# Allegro board buddy_lay_rev1.brd (continued)
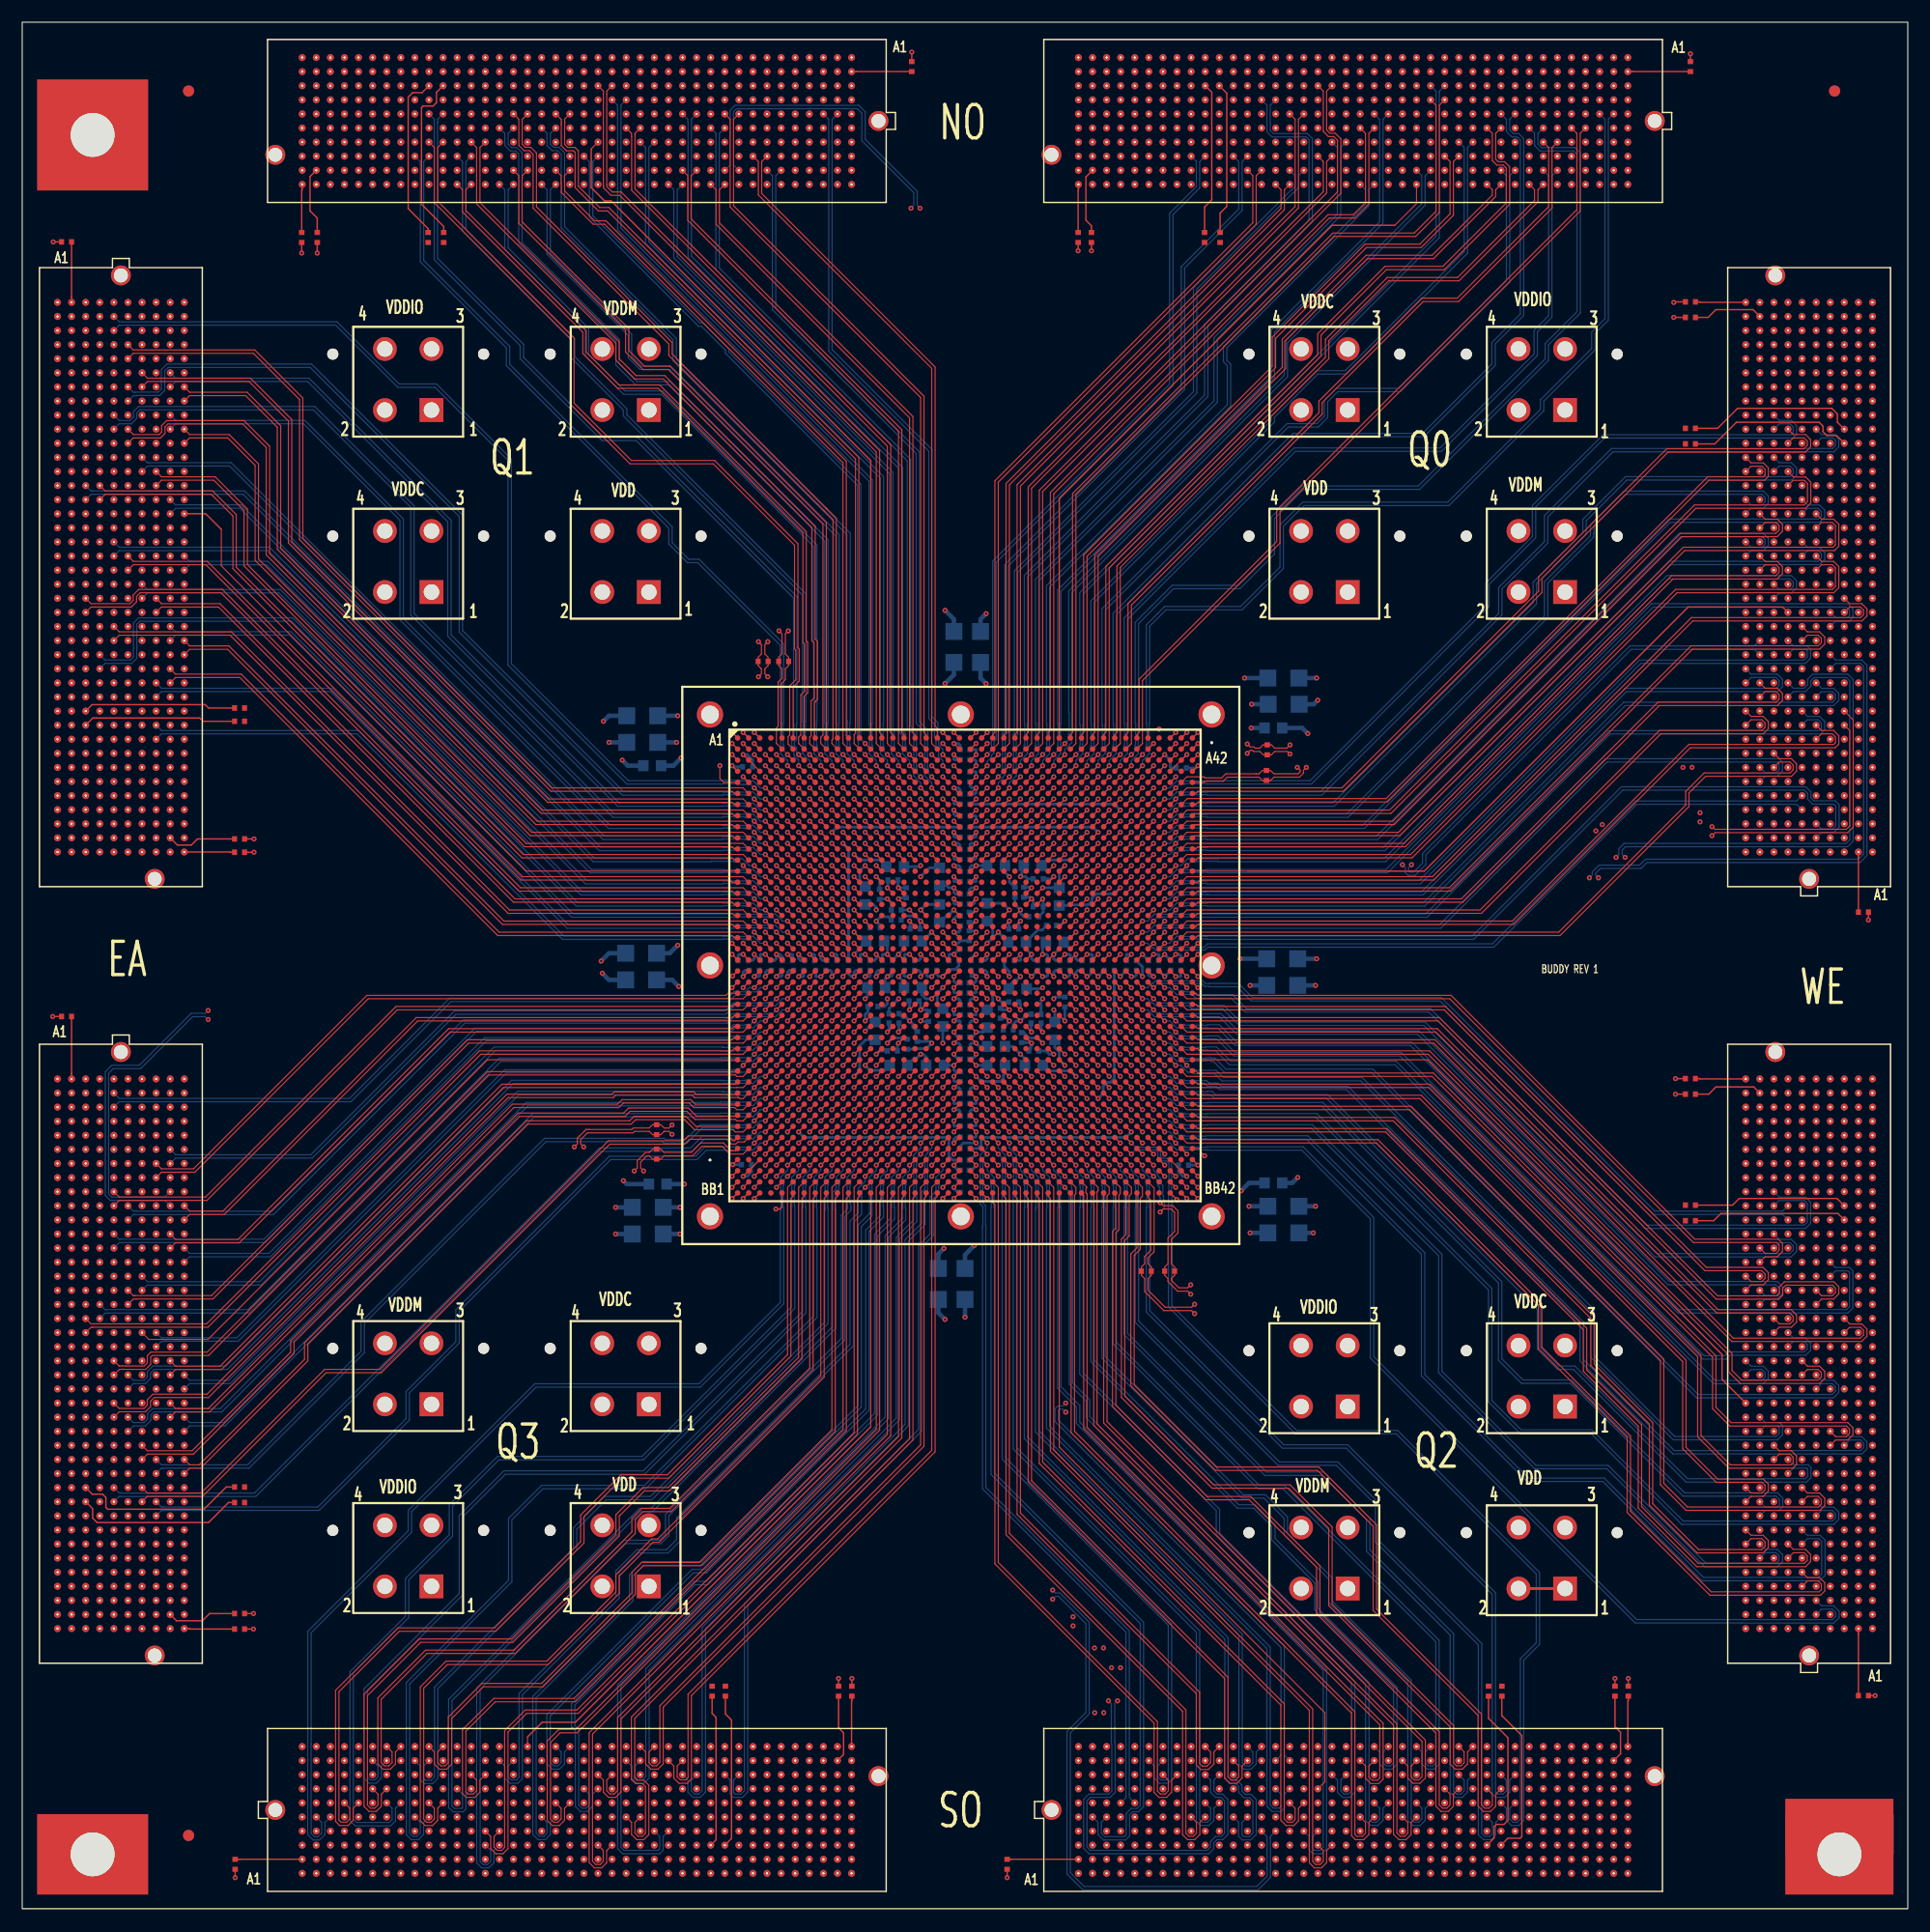
[diagram p0: board, top side]
## Routing (per net, layer and track width the routed paths; a pad name or vN(x,y) marks a point on that pad's centre or on a via; arc(x,y) is an arc through that point) (continued)
NO_N113: length 72.6
  TOP w0.127: U1.D10 v1(73,103)
  BOTTOM w0.102: J1.F26 43.51,159.98 43.51,158.89 44,158.39 44.49,158.39 44.76,158.12 44.76,150.05 53.53,141.28 53.53,139.1 55.31,137.32 58.27,137.32 72.35,123.24 72.35,106.9 72.38,106.87 72.38,104.56 72.37,104.54 72.37,104.09 73,103.46 v1(73,103)
NO_N114: length 74.1
  TOP w0.127: U1.F10 v1(73,101)
  SIGNAL_L12 w0.081: J1.G25 44.76,158.73 44.76,148.52 49.45,143.83 49.45,139.26 51.57,137.14 57.05,137.14 72.34,121.86 72.34,107.63 72.39,107.58 72.39,107.46 72.36,107.43 72.36,107.4 72.37,107.38 72.37,102.8 72.34,102.77 72.34,102.19 72.63,101.9 72.63,101.82 73,101.45 v1(73,101)
NO_N115: length 80.8
  TOP w0.127: U1.H10 v1(73,99)
  SIGNAL_L3 w0.081: v1(73,99) 73,99.48 72.85,99.63 72.85,99.63 72.63,99.85 72.63,99.85 72.6,99.88 72.6,99.93 72.33,100.2 72.33,100.78 72.37,100.82 72.37,107.38 72.33,107.42 72.33,135.5 61.91,145.92 47.08,145.92 43.49,149.51 43.49,157.46 J1.H26
NO_N116: length 65.4
  TOP w0.102: J1.J25 44.78,156.17 44.78,156.03 44.77,156.02 44.77,151.88 54.4,142.25 54.4,140.27 55.97,138.7 58.27,138.7 72.2,124.77 72.2,105.76 72,105.57 72,105 U1.B9
NO_N117: length 67.1
  TOP w0.127: U1.D9 v1(72,103)
  BOTTOM w0.102: v1(72,103) 72,103.46 71.37,104.09 71.37,104.54 71.38,104.56 71.38,107.03 71.42,107.06 71.42,110.31 71.35,110.37 71.35,122.76 57.64,136.47 54.22,136.47 50.77,139.92 50.77,142.28 43.51,149.54 43.51,154.9 J1.K26
NO_N118: length 83.4
  TOP w0.127: U1.F9 v1(72,101)
  SIGNAL_L3 w0.081: v1(72,101) 72,101.48 71.85,101.63 71.85,101.63 71.63,101.85 71.63,101.85 71.6,101.88 71.6,101.93 71.33,102.2 71.33,102.78 71.37,102.82 71.37,109.47 71.33,109.5 71.33,134.37 60.93,144.77 46.48,144.77 42.24,149.01 42.24,157.06 42.16,157.14 41.43,157.14 40.97,157.6 40.97,161 40.95,161.01 40.95,161.27 40.48,161.74
NO_N119: length 80.7
  TOP w0.127: U1.H9 v1(72,99)
  SIGNAL_L12 w0.081: J1.F29 39.68,160 39.68,147.58 44.67,142.59 44.67,138.76 52.2,131.23 60.61,131.23 71.34,120.5 71.34,105.39 71.37,105.35 71.37,100.8 71.34,100.77 71.34,100.19 71.63,99.9 71.63,99.82 72,99.45 v1(72,99)
NO_N120: length 69.4
  TOP w0.102: U1.B8 71,105 71,105.57 71.13,105.69 71.13,108.83 71.4,109.1 71.4,114.07 71.2,114.27 71.2,124.45 57.8,137.85 55.22,137.85 53.53,139.54 53.53,141.06 40.97,153.62 40.97,158.71 J1.G28
NO_N121: length 68.8
  TOP w0.127: U1.D8 v1(71,103)
  BOTTOM w0.102: v1(71,103) 71,103.46 70.37,104.09 70.37,104.17 70.38,104.19 70.38,106.98 70.35,107.02 70.35,118.37 54.2,134.52 54.2,135.05 49.52,139.73 49.52,141.33 39.7,151.15 39.7,157.3 39.7,157.44 J1.H29
NO_N122: length 77.5
  TOP w0.127: U1.F8 v1(71,101)
  SIGNAL_L3 w0.081: v1(71,101) 71,101.48 70.85,101.63 70.85,101.63 70.63,101.85 70.63,101.85 70.6,101.88 70.6,101.93 70.33,102.2 70.33,102.78 70.37,102.82 70.37,109.38 70.33,109.41 70.33,133.7 60.21,143.82 45.83,143.82 40.95,148.7 40.95,156.19 J1.J28
NO_N123: length 66.4
  TOP w0.102: J1.K29 39.7,154.9 39.7,152.9 50.55,142.05 50.55,140.14 53.69,137 57.35,137 70.39,123.96 70.39,114.11 70.51,113.99 70.51,109.69 70.2,109.38 70.2,105.76 70,105.57 70,105 U1.B7
NO_N124: length 75.3
  TOP w0.127: U1.D7 v1(70,103)
  BOTTOM w0.102: v1(70,103) 70,103.57 69.95,103.62 69.84,103.62 69.62,103.84 69.62,103.95 69.58,103.99 69.58,104.55 69.38,104.74 69.38,105.26 69.58,105.45 69.58,106.75 69.55,106.79 69.55,118.1 55.35,132.3 52.27,132.3 44.9,139.67 44.9,140.85 37.15,148.6 37.15,161.1 37.16,161.11 37.16,161.25 36.67,161.74
NO_N125: length 81.9
  TOP w0.127: U1.F7 v1(70,101)
  SIGNAL_L3 w0.081: v1(70,101) 70,101.48 69.85,101.63 69.85,101.63 69.63,101.85 69.63,101.85 69.6,101.88 69.6,101.93 69.33,102.2 69.33,102.78 69.37,102.82 69.37,109.42 69.33,109.46 69.33,114.89 69.44,115 69.44,127.37 59.01,137.8 46.58,137.8 35.86,148.52 35.86,159.87 35.87,159.88 35.87,160 J1.F32
NO_N126: length 73.3
  TOP w0.102: U1.B6 69.05,104.95 69.05,105.62 69.2,105.76 69.2,110.2 69.75,110.75 69.75,113.4 69.63,113.52 69.63,122.87 62.3,130.2 54.8,130.2 49.45,135.55 49.45,141.45 37.16,153.74 37.16,158.71 J1.G31
NO_N127: length 70.1
  TOP w0.127: U1.D6 v1(69,103)
  BOTTOM w0.102: v1(69,103) 69,103.46 68.37,104.09 68.37,104.54 68.38,104.56 68.38,106.8 68.35,106.83 68.35,113.85 60.9,121.3 59.97,121.3 58.3,122.97 58.3,124.4 43.65,139.05 43.65,140.65 35.9,148.4 35.9,157.16 35.89,157.17 35.89,157.44 J1.H32
NO_P0: length 88.7
  TOP w0.127: U1.D37 v1(101,103)
  BOTTOM w0.102: v1(101,103) 101,103.46 101.63,104.09 101.63,104.54 101.62,104.56 101.62,106.8 101.65,106.83 101.65,115.57 103.13,117.05 109.98,117.05 113.7,120.77 113.7,124.57 115.58,126.44 128.64,126.44 137.18,134.98 137.18,135.85 141.8,140.47 141.8,141.95 143,143.15 143,160.98 143,160.98 143,161.25 143.49,161.74
NO_P1: length 72.7
  TOP w0.102: J2.F4 140.46,159.98 140.46,152.98 113.4,125.92 113.4,123.07 101,110.67 101,105
  TOP w0.127: U1.B37 101,105
NO_P2: length 86.5
  TOP w0.127: U1.F36 v1(100,101)
  SIGNAL_L12 w0.081: 138.41,161.74 137.95,161.28 137.95,143.9 136.9,142.85 136.9,139.65 123.95,126.7 108.4,126.7 100.66,118.96 100.66,107.39 100.63,107.35 100.63,102.8 100.66,102.77 100.66,102.19 100.37,101.9 100.37,101.82 100,101.45 v1(100,101)
NO_P3: length 88.1
  TOP w0.127: U1.D36 v1(100,103)
  BOTTOM w0.102: v1(100,103) 100,103.46 100.63,104.09 100.63,104.54 100.62,104.56 100.62,106.8 100.65,106.83 100.65,115.8 103.8,118.95 109.78,118.95 112.9,122.07 112.9,125.27 115.53,127.9 125.98,127.9 137.6,139.52 137.6,140.92 140.48,143.8 140.48,158.22 140,158.7 136.97,158.7 136.65,159.02 136.65,159.98 J2.F7
NO_P4: length 72.7
  TOP w0.102: 100,105 100,117.47 117.2,134.67 117.2,135.72 126.31,144.83 129.5,144.83 137.92,153.25 137.92,158.71 J2.G6
  TOP w0.127: U1.B36 100,105
NO_P5: length 76.3
  TOP w0.127: U1.F35 v1(99,101)
  SIGNAL_L3 w0.081: J2.H7 136.67,157.46 136.67,150.85 128.15,142.33 128.15,139.25 120.75,131.85 116.02,131.85 108.3,124.13 108.3,123.68 99.67,115.05 99.67,109.49 99.59,109.41 99.59,109.38 99.63,109.35 99.63,102.82 99.67,102.78 99.67,102.2 99.4,101.93 99.4,101.88 99.37,101.85 99.37,101.85 99.15,101.63 99.15,101.63 99,101.48 v1(99,101)
NO_P6: length 78.4
  TOP w0.127: U1.D35 v1(99,103)
  BOTTOM w0.102: v1(99,103) 99,103.46 99.63,104.09 99.63,104.54 99.62,104.56 99.62,106.8 99.65,106.83 99.65,116.19 114.79,131.33 127.96,131.33 136.6,139.97 136.6,142.1 137.92,143.42 137.92,155.96 137.92,155.97 137.92,156.17 J2.J6
NO_P7: length 70.6
  TOP w0.102: 99,105 99,120.87 117.8,139.67 117.8,141.3 123.2,146.7 129.54,146.7 136.65,153.81 136.65,154.9 J2.K7
  TOP w0.127: U1.B35 99,105
NO_P8: length 86.4
  TOP w0.127: U1.H34 v1(98,99)
  SIGNAL_L3 w0.081: J2.C10 132.86,163.81 132.86,161.56 133.16,161.25 134.95,161.25 135.41,160.79 135.41,152.21 126.63,143.43 126.63,139.18 120.15,132.7 115.75,132.7 98.67,115.62 98.67,107.54 98.63,107.51 98.63,100.82 98.67,100.78 98.67,100.2 98.4,99.93 98.4,99.88 98.37,99.85 98.37,99.85 98.15,99.63 98.15,99.63 98,99.48 v1(98,99)
NO_P9: length 88.1
  TOP w0.127: U1.F34 v1(98,101)
  SIGNAL_L12 w0.081: v1(98,101) 98,101.45 98.37,101.82 98.37,101.9 98.66,102.19 98.66,102.77 98.63,102.8 98.63,107.35 98.66,107.39 98.66,119.81 107.25,128.4 123.75,128.4 133.66,138.31 133.66,150.16 135.38,151.88 135.38,162.52 J2.D8
NO_P10: length 82.8
  TOP w0.127: U1.D34 v1(98,103)
  BOTTOM w0.102: v1(98,103) 98,103.46 98.63,104.09 98.63,104.54 98.62,104.56 98.62,106.8 98.65,106.83 98.65,116.6 114.69,132.65 126.38,132.65 132.8,139.07 132.8,141 135.37,143.57 135.37,159.52 134.92,159.97 134.43,159.97 134.11,160.29 134.11,161.25 134.6,161.74
NO_P11: length 75.2
  TOP w0.102: U1.B34 98,105 98,120.83 117.1,139.94 117.1,141.81 122.99,147.7 128.21,147.7 134.1,153.59 134.1,156.98 133.65,157.43 133.07,157.43 132.84,157.66 132.84,159.98 J2.F10
NO_P12: length 77.6
  TOP w0.127: U1.H33 v1(97,99)
  SIGNAL_L3 w0.081: J2.G9 134.13,158.73 134.13,152.96 121.83,140.66 121.83,139.96 117.33,135.46 117.33,134.89 115.94,133.5 114,133.5 97.67,117.17 97.67,107.5 97.63,107.46 97.63,100.82 97.67,100.78 97.67,100.2 97.4,99.93 97.4,99.88 97.37,99.85 97.37,99.85 97.15,99.63 97.15,99.63 97,99.48 v1(97,99)
NO_P13: length 83.6
  TOP w0.127: U1.F33 v1(97,101)
  SIGNAL_L12 w0.081: v1(97,101) 97,101.45 97.37,101.82 97.37,101.9 97.66,102.19 97.66,102.77 97.63,102.8 97.63,107.3 97.66,107.34 97.66,122.83 104.87,130.04 123.54,130.04 132.84,139.34 132.84,157.44 J2.H10
NO_P14: length 74.9
  TOP w0.127: U1.D33 v1(97,103)
  BOTTOM w0.102: J2.J9 134.11,156.17 134.11,156.03 134.11,146.56 124.25,136.7 118.6,136.7 117.7,135.8 117.7,134.37 116.85,133.52 114.15,133.52 97.65,117.02 97.65,106.71 97.62,106.67 97.62,104.74 97.69,104.67 97.69,104.55 97.72,104.52 97.72,104.26 97.63,104.18 97.63,104.09 97,103.46 v1(97,103)
NO_P15: length 69.6
  TOP w0.102: U1.B33 97,105 97,121.87 113.9,138.77 113.9,141.3 121.3,148.7 127.25,148.7 132.84,154.29 132.84,154.9 J2.K10
NO_P16: length 79.8
  TOP w0.127: U1.H32 v1(96,99)
  SIGNAL_L3 w0.081: 130.79,161.74 130.32,161.27 130.32,159.02 130.62,158.71 131.11,158.71 131.6,158.23 131.6,153.58 123.08,145.06 122.13,145.06 118.23,141.16 118.23,139.91 96.67,118.35 96.67,107.11 96.63,107.07 96.63,100.82 96.67,100.78 96.67,100.2 96.4,99.93 96.4,99.88 96.37,99.85 96.37,99.85 96.15,99.63 96.15,99.63 96,99.48 v1(96,99)
NO_P17: length 83.9
  TOP w0.127: U1.F32 v1(96,101)
  SIGNAL_L12 w0.081: v1(96,101) 96,101.45 96.37,101.82 96.37,101.9 96.66,102.19 96.66,102.77 96.63,102.8 96.63,107.3 96.66,107.34 96.66,123.55 104.28,131.17 118.7,131.17 130.3,142.77 130.3,156.98 129.84,157.44 129.24,157.44 129.05,157.63 129.05,160 J2.F13
NO_P18: length 72.8
  TOP w0.127: U1.D32 v1(96,103)
  BOTTOM w0.102: v1(96,103) 96,103.46 96.63,104.09 96.63,104.54 96.62,104.56 96.62,106.8 96.65,106.83 96.65,117.72 112.9,133.97 112.9,134.38 116.81,138.3 119.41,138.3 130.3,149.19 130.3,158.57 130.3,158.71 J2.G12
NO_P19: length 70.4
  TOP w0.102: J2.H13 129.03,157.44 129.03,152.6 126.13,149.7 121.2,149.7 113,141.5 113,138.87 96,121.87 96,105 U1.B32
NO_P20: length 73.7
  TOP w0.127: U1.H31 v1(95,99)
  SIGNAL_L3 w0.081: J2.J12 130.32,156.19 130.32,154.3 122.57,146.55 121.72,146.55 116.85,141.68 116.85,139.91 95.67,118.73 95.67,107.46 95.63,107.43 95.63,100.82 95.67,100.78 95.67,100.2 95.4,99.93 95.4,99.88 95.37,99.85 95.37,99.85 95.15,99.63 95.15,99.63 95,99.48 v1(95,99)
NO_P21: length 77.3
  TOP w0.127: U1.F31 v1(95,101)
  SIGNAL_L12 w0.081: J2.K13 129.05,154.92 129.05,147.93 122.2,141.08 122.2,139.4 120.25,137.45 118.75,137.45 117.4,136.1 117.4,133.98 115.74,132.32 103.72,132.32 95.66,124.26 95.66,107.34 95.63,107.3 95.63,102.8 95.66,102.77 95.66,102.19 95.37,101.9 95.37,101.82 95,101.45 v1(95,101)
NO_P22: length 75.8
  TOP w0.127: U1.D31 v1(95,103)
  BOTTOM w0.102: J2.C14 127.76,163.79 127.76,163.65 127.76,150.58 95.65,118.47 95.65,106.72 95.62,106.69 95.62,104.56 95.63,104.54 95.63,104.09 95,103.46 v1(95,103)
NO_P23: length 76.8
  TOP w0.102: J2.D14 127.76,162.52 127.76,152.83 125.63,150.7 118.3,150.7 95,127.4 95,105 U1.B31
NO_P24: length 82.5
  TOP w0.127: U1.M30 v1(94,95)
  SIGNAL_L5 w0.081: 126.98,161.74 126.52,161.28 126.52,151.9 117.88,143.26 117.88,139.61 116.24,137.97 113.89,137.97 94.66,118.75 94.66,105.33 94.63,105.29 94.63,96.68 94.65,96.66 94.65,96.13 94,95.48 v1(94,95)
NO_P25: length 79
  TOP w0.127: U1.K30 v1(94,97)
  SIGNAL_L10 w0.081: J2.F16 125.24,160 125.24,157.66 125.45,157.45 126.1,157.45 126.5,157.05 126.5,153.73 113.52,140.75 113.52,139.77 95.66,121.91 95.66,105.6 95.63,105.57 95.63,98.74 95.26,98.37 94.85,98.37 94.45,97.97 94.45,97.93 94,97.48 v1(94,97)
NO_P26: length 73.6
  TOP w0.127: U1.G30 v1(94,100)
  SIGNAL_L3 w0.081: v1(94,100) 94,100.48 94.15,100.63 94.15,100.63 94.37,100.85 94.37,100.85 94.4,100.88 94.4,100.93 94.67,101.2 94.67,101.78 94.63,101.82 94.63,108.3 94.67,108.34 94.67,119.45 113.73,138.51 113.73,141.11 126.51,153.89 126.51,158.73 J2.G15
NO_P27: length 76.7
  TOP w0.127: U1.E30 v1(94,102)
  SIGNAL_L12 w0.081: v1(94,102) 94,102.45 94.37,102.82 94.37,102.9 94.66,103.19 94.66,103.77 94.63,103.8 94.63,108.35 94.66,108.39 94.66,124.86 103.23,133.42 111.89,133.42 117.04,138.57 120.09,138.57 121.28,139.76 121.28,142.16 125.24,146.12 125.24,157.46 J2.H16
NO_P28: length 67
  TOP w0.127: U1.C30 v1(94,104)
  BOTTOM w0.102: v1(94,104) 94,104.46 94.63,105.09 94.63,105.54 94.62,105.56 94.62,107.8 94.65,107.83 94.65,118.62 114.07,138.04 114.07,141.09 126.48,153.5 126.48,156.16 J2.J15
NO_P29: length 66.5
  TOP w0.102: 93.5,110.5 U1.A30 ; J2.K16 125.71,153.66 123.75,151.7
  TOP w0.127: 93.5,110.5 93.5,127.1 118.1,151.7 123.75,151.7
NO_P30: length 81.5
  TOP w0.127: U1.L29 v1(93,96)
  SIGNAL_L3 w0.081: v1(93,96) 93,96.48 93.15,96.63 93.15,96.63 93.37,96.85 93.37,96.85 93.4,96.88 93.4,96.93 93.67,97.2 93.67,97.78 93.63,97.82 93.63,105.57 93.67,105.61 93.67,120.15 112.93,139.41 112.93,143.08 122.7,152.85 122.7,163.81 J2.C18
NO_P31: length 80.7
  TOP w0.127: U1.F29 v1(93,101)
  SIGNAL_L12 w0.081: J2.D17 123.97,162.54 123.97,146.92 111.6,134.55 103.1,134.55 93.66,125.11 93.66,107.34 93.63,107.3 93.63,102.8 93.66,102.77 93.66,102.19 93.37,101.9 93.37,101.82 93,101.45 v1(93,101)
NO_P32: length 71.9
  TOP w0.127: U1.D29 v1(93,103)
  BOTTOM w0.102: 123.17,161.74 122.68,161.25 122.68,151.88 112.9,142.1 112.9,137.95 93.65,118.7 93.65,106.83 93.62,106.8 93.62,104.56 93.63,104.54 93.63,104.09 93,103.46 v1(93,103)
NO_P33: length 69.5
  TOP w0.102: J2.F19 121.41,159.98 121.41,153.63 120.13,152.35 117.85,152.35 93,127.5 93,105 U1.B29
NO_P34: length 77.8
  TOP w0.127: U1.M28 v1(92,95)
  SIGNAL_L5 w0.081: v1(92,95) 92,95.48 92.65,96.13 92.65,96.66 92.63,96.68 92.63,105.19 92.66,105.23 92.66,124.95 122.7,154.98 122.7,158.61 122.7,158.61 122.7,158.73 J2.G18
NO_P35: length 74.1
  TOP w0.127: U1.K28 v1(92,97)
  SIGNAL_L3 w0.081: v1(92,97) 92,97.48 92.15,97.63 92.15,97.63 92.37,97.85 92.37,97.85 92.4,97.88 92.4,97.93 92.67,98.2 92.67,98.78 92.63,98.82 92.63,105.15 92.7,105.23 92.7,105.48 92.67,105.52 92.67,125.52 121.43,154.28 121.43,154.69 121.43,157.46 J2.H19
NO_P36: length 73.4
  TOP w0.127: U1.F28 v1(92,101)
  SIGNAL_L12 w0.081: v1(92,101) 92,101.45 92.37,101.82 92.37,101.9 92.66,102.19 92.66,102.77 92.63,102.8 92.63,107.3 92.66,107.34 92.66,125.56 102.45,135.35 109.52,135.35 113.43,139.26 113.43,141.63 122.7,150.9 122.7,156.19 J2.J18
NO_P37: length 65.8
  TOP w0.127: U1.D28 v1(92,103)
  BOTTOM w0.102: J2.K19 121.41,154.9 121.41,154.76 121.41,153.46 108.6,140.64 108.6,139.54 108.95,139.19 108.95,135.4 92.65,119.1 92.65,106.74 92.62,106.7 92.62,104.56 92.63,104.54 92.63,104.09 92,103.46 v1(92,103)
NO_P38: length 72.1
  TOP w0.102: J2.C22 117.6,163.79 117.6,160.29 117.89,160 118.38,160 118.89,159.49 118.89,154.59 92,127.7 92,105 U1.B28
NO_P39: length 81
  TOP w0.127: U1.M27 v1(91,95)
  SIGNAL_L10 w0.081: v1(91,95) 91,95.48 91.37,95.85 91.37,95.9 91.68,96.21 91.68,96.8 91.63,96.85 91.63,105.26 91.67,105.3 91.67,125.15 120.16,153.64 120.16,162.54 J2.D20
NO_P40: length 78.5
  TOP w0.127: U1.K27 v1(91,97)
  SIGNAL_L3 w0.081: 119.36,161.74 118.9,161.28 118.9,160.28 119.17,160.01 119.66,160.01 120.14,159.52 120.14,154.74 91.67,126.27 91.67,105.42 91.63,105.38 91.63,98.82 91.67,98.78 91.67,98.2 91.4,97.93 91.4,97.88 91.37,97.85 91.37,97.85 91.15,97.63 91.15,97.63 91,97.48 v1(91,97)
NO_P41: length 74.6
  TOP w0.127: U1.H27 v1(91,99)
  SIGNAL_L12 w0.081: v1(91,99) 91,99.45 91.37,99.82 91.37,99.9 91.66,100.19 91.66,100.77 91.63,100.8 91.63,105.3 91.66,105.34 91.66,126.06 101.9,136.3 103.9,136.3 117.62,150.02 117.62,160 J2.F22
NO_P42: length 68.7
  TOP w0.127: U1.D27 v1(91,103)
  BOTTOM w0.102: J2.G21 118.87,158.71 118.87,152.57 107.75,141.45 107.75,135.75 91.65,119.65 91.65,106.83 91.62,106.8 91.62,104.56 91.63,104.54 91.63,104.09 91,103.46 v1(91,103)
NO_P43: length 64.9
  TOP w0.102: U1.B27 91,105 91,128 117.6,154.6 117.6,157.44 J2.H22
NO_P44: length 74.5
  TOP w0.127: U1.M26 v1(90,95)
  SIGNAL_L5 w0.081: v1(90,95) 90,95.48 90.65,96.13 90.65,96.66 90.63,96.68 90.63,105.19 90.66,105.23 90.66,125.2 118.89,153.42 118.89,156.19 J2.J21
NO_P45: length 70.8
  TOP w0.127: U1.K26 v1(90,97)
  SIGNAL_L3 w0.081: v1(90,97) 90,97.48 90.15,97.63 90.15,97.63 90.37,97.85 90.37,97.85 90.4,97.88 90.4,97.93 90.67,98.2 90.67,98.78 90.63,98.82 90.63,105.35 90.67,105.38 90.67,127.52 117.63,154.48 117.63,154.93 J2.K22
NO_P46: length 80.1
  TOP w0.127: U1.H26 v1(90,99)
  SIGNAL_L12 w0.081: v1(90,99) 90,99.45 90.37,99.82 90.37,99.9 90.66,100.19 90.66,100.77 90.63,100.8 90.63,105.3 90.66,105.34 90.66,127.01 100.85,137.2 103.25,137.2 115.06,149.01 115.06,159.52 114.58,160.01 112.82,160.01 112.55,160.28 112.55,163.82 J2.C26
NO_P47: length 75.2
  TOP w0.127: U1.D26 v1(90,103)
  BOTTOM w0.102: v1(90,103) 90,103.46 90.63,104.09 90.63,104.54 90.62,104.56 90.62,106.8 90.65,106.83 90.65,120.02 106.9,136.27 106.9,142.65 116.32,152.07 116.32,159.52 115.87,159.97 112.8,159.97 112.52,160.25 112.52,162.52 J2.D26
NO_P48: length 68
  TOP w0.102: U1.B26 90,105 90,128.2 115.06,153.26 115.06,161.25 115.55,161.74
NO_P49: length 94.1
  TOP w0.127: U1.M25 v1(89,95)
  SIGNAL_L3 w0.081: J2.F25 113.8,160.94 113.8,162.06 113.33,162.52 112.68,162.52 112.19,162.04 112.19,161.55 111.92,161.27 92.89,161.27 87.33,155.71 87.33,106.77 87.37,106.74 87.37,96.63 87.63,96.37 87.91,96.37 87.91,96.37 88.15,96.37 88.23,96.3 88.36,96.3 88.63,96.03 88.63,95.85 89,95.48 v1(89,95)
NO_P50: length 74
  TOP w0.127: U1.K25 v1(89,97)
  SIGNAL_L3 w0.081: J2.G24 115.08,158.73 115.08,154.83 89.65,129.4 89.65,105.46 89.63,105.43 89.63,104.74 89.62,104.73 89.62,104.27 89.63,104.26 89.63,103.74 89.62,103.73 89.62,103.27 89.63,103.26 89.63,102.74 89.62,102.73 89.62,102.27 89.63,102.26 89.63,101.74 89.62,101.73 89.62,101.27 89.63,101.26 89.63,100.74 89.62,100.73 89.62,100.27 89.63,100.26 89.63,99.74 89.62,99.73 89.62,99.27 89.63,99.26 89.63,98.81 89.66,98.78 89.66,98.19 89.4,97.93 89.4,97.88 89.37,97.85 89.37,97.85 89.15,97.63 89.15,97.63 89,97.48 v1(89,97)
NO_P51: length 72
  TOP w0.127: U1.H25 v1(89,99)
  SIGNAL_L12 w0.081: v1(89,99) 89,99.45 89.37,99.82 89.37,99.9 89.66,100.19 89.66,100.77 89.63,100.8 89.63,105.3 89.66,105.34 89.66,128.26 99.52,138.12 102.72,138.12 113.81,149.21 113.81,157.46 J2.H25
NO_P52: length 67.4
  TOP w0.127: U1.F25 v1(89,101)
  BOTTOM w0.102: v1(89,101) 89,101.46 89.63,102.09 89.63,102.54 89.62,102.56 89.62,105.49 89.65,105.52 89.65,105.7 89.75,105.8 89.75,120.43 105.9,136.58 105.9,145.95 114.56,154.61 114.6,154.61 115.05,155.06 115.05,155.1 115.07,155.12 115.07,156.18 J2.J24
NO_P53: length 61.6
  TOP w0.102: J2.K25 113.79,154.9 113.79,153.09 89,128.3 89,105 U1.B25
NO_P54: length 93.6
  TOP w0.127: U1.M24 v1(88,95)
  SIGNAL_L3 w0.081: v1(88,95) 87.67,95.33 87.49,95.33 87.45,95.37 86.74,95.37 86.37,95.74 86.37,106.39 86.59,106.61 86.59,108.59 86.56,108.63 86.56,108.83 86.02,109.36 86.02,155.92 93.9,163.79 110.79,163.79 111.25,163.33 111.25,162.22 111.74,161.74
NO_P55: length 73.6
  TOP w0.127: U1.K24 v1(88,97)
  SIGNAL_L3 w0.081: v1(88,97) 88,97.48 88.15,97.63 88.15,97.63 88.37,97.85 88.37,97.85 88.4,97.88 88.4,97.93 88.66,98.19 88.66,98.78 88.63,98.81 88.63,99.26 88.62,99.27 88.62,99.73 88.63,99.74 88.63,100.26 88.62,100.27 88.62,100.73 88.63,100.74 88.63,101.26 88.62,101.27 88.62,101.73 88.63,101.74 88.63,102.26 88.62,102.27 88.62,102.73 88.63,102.74 88.63,103.26 88.62,103.27 88.62,103.73 88.63,103.74 88.63,104.26 88.62,104.27 88.62,104.73 88.63,104.74 88.63,105.35 88.65,105.38 88.65,132.25 110,153.6 110,160 J2.F28
NO_P56: length 74.2
  TOP w0.127: U1.H24 v1(88,99)
  SIGNAL_L12 w0.081: v1(88,99) 88,99.45 88.37,99.82 88.37,99.9 88.66,100.19 88.66,100.77 88.63,100.8 88.63,105.3 88.66,105.34 88.66,129.47 98.5,139.31 102.16,139.31 112.55,149.7 112.55,156.96 112.04,157.47 111.55,157.47 111.28,157.74 111.28,158.74 J2.G27
NO_P57: length 66.9
  TOP w0.127: U1.F24 v1(88,101)
  BOTTOM w0.102: J2.H28 109.98,157.44 109.98,153.03 104.8,147.85 104.8,136.89 88.9,120.99 88.9,106.05 88.65,105.8 88.65,105.18 88.62,105.15 88.62,102.19 88.38,101.95 88.38,101.84 88,101.46 v1(88,101)
NO_P58: length 62.2
  TOP w0.102: U1.B24 88,105 88,128.55 111.25,151.8 111.25,156.17 J2.J27
NO_P59: length 74.8
  TOP w0.127: U1.M23 v1(87,95)
  SIGNAL_L12 w0.081: J2.K28 110,154.92 110,150.85 101.15,142 96.97,142 86.5,131.53 86.5,109.4 87,108.9 87,106.85 86.66,106.51 86.66,106.38 86.63,106.34 86.63,98.8 86.8,98.63 87.26,98.63 87.63,98.26 87.63,96.73 87.69,96.66 87.69,96.22 87.37,95.9 87.37,95.85 87,95.48 v1(87,95)
NO_P60: length 74.6
  TOP w0.127: U1.K23 v1(87,97)
  SIGNAL_L10 w0.081: 107.93,161.74 107.46,161.27 107.46,146.09 88.67,127.3 88.67,105.63 88.63,105.59 88.63,97.74 88.26,97.37 87.82,97.37 87.78,97.33 87.33,97.33 v1(87,97)
NO_P61: length 79.8
  TOP w0.127: U1.H23 v1(87,99)
  SIGNAL_L12 w0.081: v1(87,99) 87,99.45 87.37,99.82 87.37,99.9 87.66,100.19 87.66,100.77 87.63,100.8 87.63,105.3 87.66,105.34 87.66,105.56 87.75,105.65 87.75,130.95 97.38,140.58 101.68,140.58 111.4,150.3 111.4,154.94 111.25,155.09 111.25,155.71 110.79,156.17 106.38,156.17 106.19,156.36 106.19,160 J2.F31
NO_P62: length 68.1
  TOP w0.127: U1.F23 v1(87,101)
  SIGNAL_L5 w0.081: J2.G30 107.46,158.73 107.46,148.71 88.67,129.92 88.67,105.48 88.63,105.44 88.63,101.64 88.36,101.37 87.78,101.37 87.74,101.33 87.33,101.33 v1(87,101)
NO_P63: length 63.8
  TOP w0.127: U1.D23 v1(87,103)
  BOTTOM w0.102: J2.H31 106.16,157.43 106.16,155.06 103.75,152.66 103.75,137.26 87.8,121.31 87.8,105.38 87.62,105.2 87.62,104.17 87.38,103.93 87.38,103.76 87,103.38 v1(87,103)
NO_P64: length 62.8
  TOP w0.127: U1.C20 v1(83,104)
  BOTTOM w0.102: 73.5,161.74 73.02,161.25 73.02,140.49 82.04,131.47 82.04,107.39 82.55,106.88 82.55,105.7 82.65,105.6 82.65,105.26 82.62,105.23 82.62,104.84 83,104.46 v1(83,104)
NO_P65: length 65.8
  TOP w0.127: U1.E20 v1(83,102)
  SIGNAL_L10 w0.081: v1(83,102) 82.67,101.67 82.41,101.67 82.37,101.63 81.95,101.63 81.95,101.63 81.85,101.63 81.63,101.85 81.63,101.95 81.63,101.95 81.63,105.54 81.66,105.58 81.66,131.44 70.49,142.61 70.49,160 J1.F4
NO_P66: length 70.6
  TOP w0.127: U1.G20 v1(83,100)
  SIGNAL_L12 w0.081: v1(83,100) 82.67,100.33 82.67,100.77 82.63,100.8 82.63,100.84 82.63,100.85 82.63,105.35 82.67,105.39 82.67,105.75 82.46,105.96 82.46,131.82 67.94,146.33 67.94,155.71 67.48,156.17 66.99,156.17 66.67,156.49 66.67,159.52 66.83,159.68 67.48,159.68 67.96,160.15 67.96,161.27 68.42,161.74
NO_P67: length 71.9
  TOP w0.127: U1.J20 v1(83,98)
  SIGNAL_L10 w0.081: J1.F7 66.68,160 66.68,143.87 80.67,129.88 80.67,105.33 80.63,105.29 80.63,97.85 80.85,97.63 80.9,97.63 80.9,97.63 82.25,97.63 82.28,97.67 82.67,97.67 v1(83,98)
NO_P68: length 72.4
  TOP w0.127: U1.L20 v1(83,96)
  SIGNAL_L12 w0.081: v1(83,96) 82.64,96.36 82.64,96.66 82.63,96.68 82.63,98.15 82.85,98.37 83.3,98.37 83.63,98.7 83.63,106.24 83.67,106.28 83.67,106.63 83.28,107.02 83.28,108.52 84.08,109.31 84.08,132.24 69.21,147.1 69.21,156.98 68.73,157.47 68.23,157.47 67.95,157.75 67.95,158.73 J1.G6
NO_P69: length 59.2
  TOP w0.102: J1.H7 66.67,157.44 66.67,154.56 82.3,138.93 82.3,106.55 82.5,106.35 U1.A19
NO_P70: length 61.4
  TOP w0.127: U1.E19 v1(82,102)
  BOTTOM w0.102: J1.J6 67.94,156.17 67.94,144.22 80.9,131.26 80.9,106.95 81.65,106.2 81.65,105.52 81.62,105.49 81.62,102.84 81.68,102.78 81.68,102.32 v1(82,102)
NO_P71: length 62.7
  TOP w0.127: U1.G19 v1(82,100)
  SIGNAL_L12 w0.081: v1(82,100) 81.67,100.33 81.67,100.77 81.63,100.8 81.63,100.84 81.63,100.85 81.63,105.3 81.67,105.34 81.67,129.61 66.68,144.59 66.68,154.92 J1.K7
NO_P72: length 78.6
  TOP w0.127: U1.J19 v1(82,98)
  SIGNAL_L3 w0.081: J1.C10 62.89,163.82 62.89,160.28 63.18,159.98 63.67,159.98 64.13,159.52 64.13,155.18 65.54,153.78 70.74,153.78 81.68,142.84 81.68,105.68 81.61,105.62 81.61,105.51 81.68,105.44 81.68,105.43 81.63,105.38 81.63,104.85 81.64,104.84 81.64,104.16 81.63,104.15 81.63,103.85 81.64,103.84 81.64,103.16 81.63,103.15 81.63,102.85 81.64,102.84 81.64,102.16 81.63,102.15 81.63,101.85 81.64,101.84 81.64,101.16 81.63,101.15 81.63,100.85 81.64,100.84 81.64,100.16 81.63,100.15 81.63,99.85 81.64,99.84 81.64,99.16 81.63,99.15 81.63,98.85 81.64,98.84 81.64,98.82 81.67,98.79 81.67,98.33 v1(82,98)
NO_P73: length 89
  TOP w0.127: U1.L19 v1(82,96)
  SIGNAL_L3 w0.081: J1.D8 65.43,163.46 65.43,164.46 65.69,164.73 78.65,164.73 84.02,159.36 84.02,109.53 83.68,109.19 83.68,109.14 82.94,108.41 82.94,106.67 83.37,106.24 83.37,95.85 83.15,95.63 82.58,95.63 82.54,95.67 82.33,95.67 v1(82,96)
NO_P74: length 63.6
  TOP w0.102: U1.A18 81.5,105.8 81.3,106 81.3,136.3 64.13,153.47 64.13,161.25 64.61,161.74
NO_P75: length 66.9
  TOP w0.127: U1.E18 v1(81,102)
  BOTTOM w0.102: J1.F10 62.86,159.98 62.86,159.71 62.85,159.7 62.85,147.85 80.1,130.6 80.1,106.55 80.65,106 80.65,105.52 80.62,105.49 80.62,102.84 80.68,102.78 80.68,102.32 v1(81,102)
NO_P76: length 67.1
  TOP w0.127: U1.G18 v1(81,100)
  SIGNAL_L12 w0.081: J1.G9 64.14,158.73 64.14,145.78 80.67,129.26 80.67,105.34 80.63,105.3 80.63,100.85 80.63,100.84 80.63,100.8 80.67,100.77 80.67,100.33 v1(81,100)
NO_P77: length 71.8
  TOP w0.127: U1.J18 v1(81,98)
  SIGNAL_L3 w0.081: v1(81,98) 80.67,98.33 80.67,98.64 80.63,98.69 80.63,100.85 80.63,100.85 80.63,101.47 80.63,101.47 80.63,105.46 80.68,105.5 80.68,142.24 69.99,152.93 64.19,152.93 62.86,154.25 62.86,157.19 62.87,157.2 62.87,157.46 J1.H10
NO_P78: length 88.1
  TOP w0.127: U1.L18 v1(81,96)
  SIGNAL_L3 w0.081: v1(80.13,153.24) 80.37,152.99 80.37,150.96 82.34,149 82.34,106.81 82.37,106.77 82.37,96.74 82.26,96.63 81.85,96.63 81.72,96.76 81.37,96.76 81,96.39 v1(81,96)